# KiCad board 32X_VA2.kicad_pcb (continued)
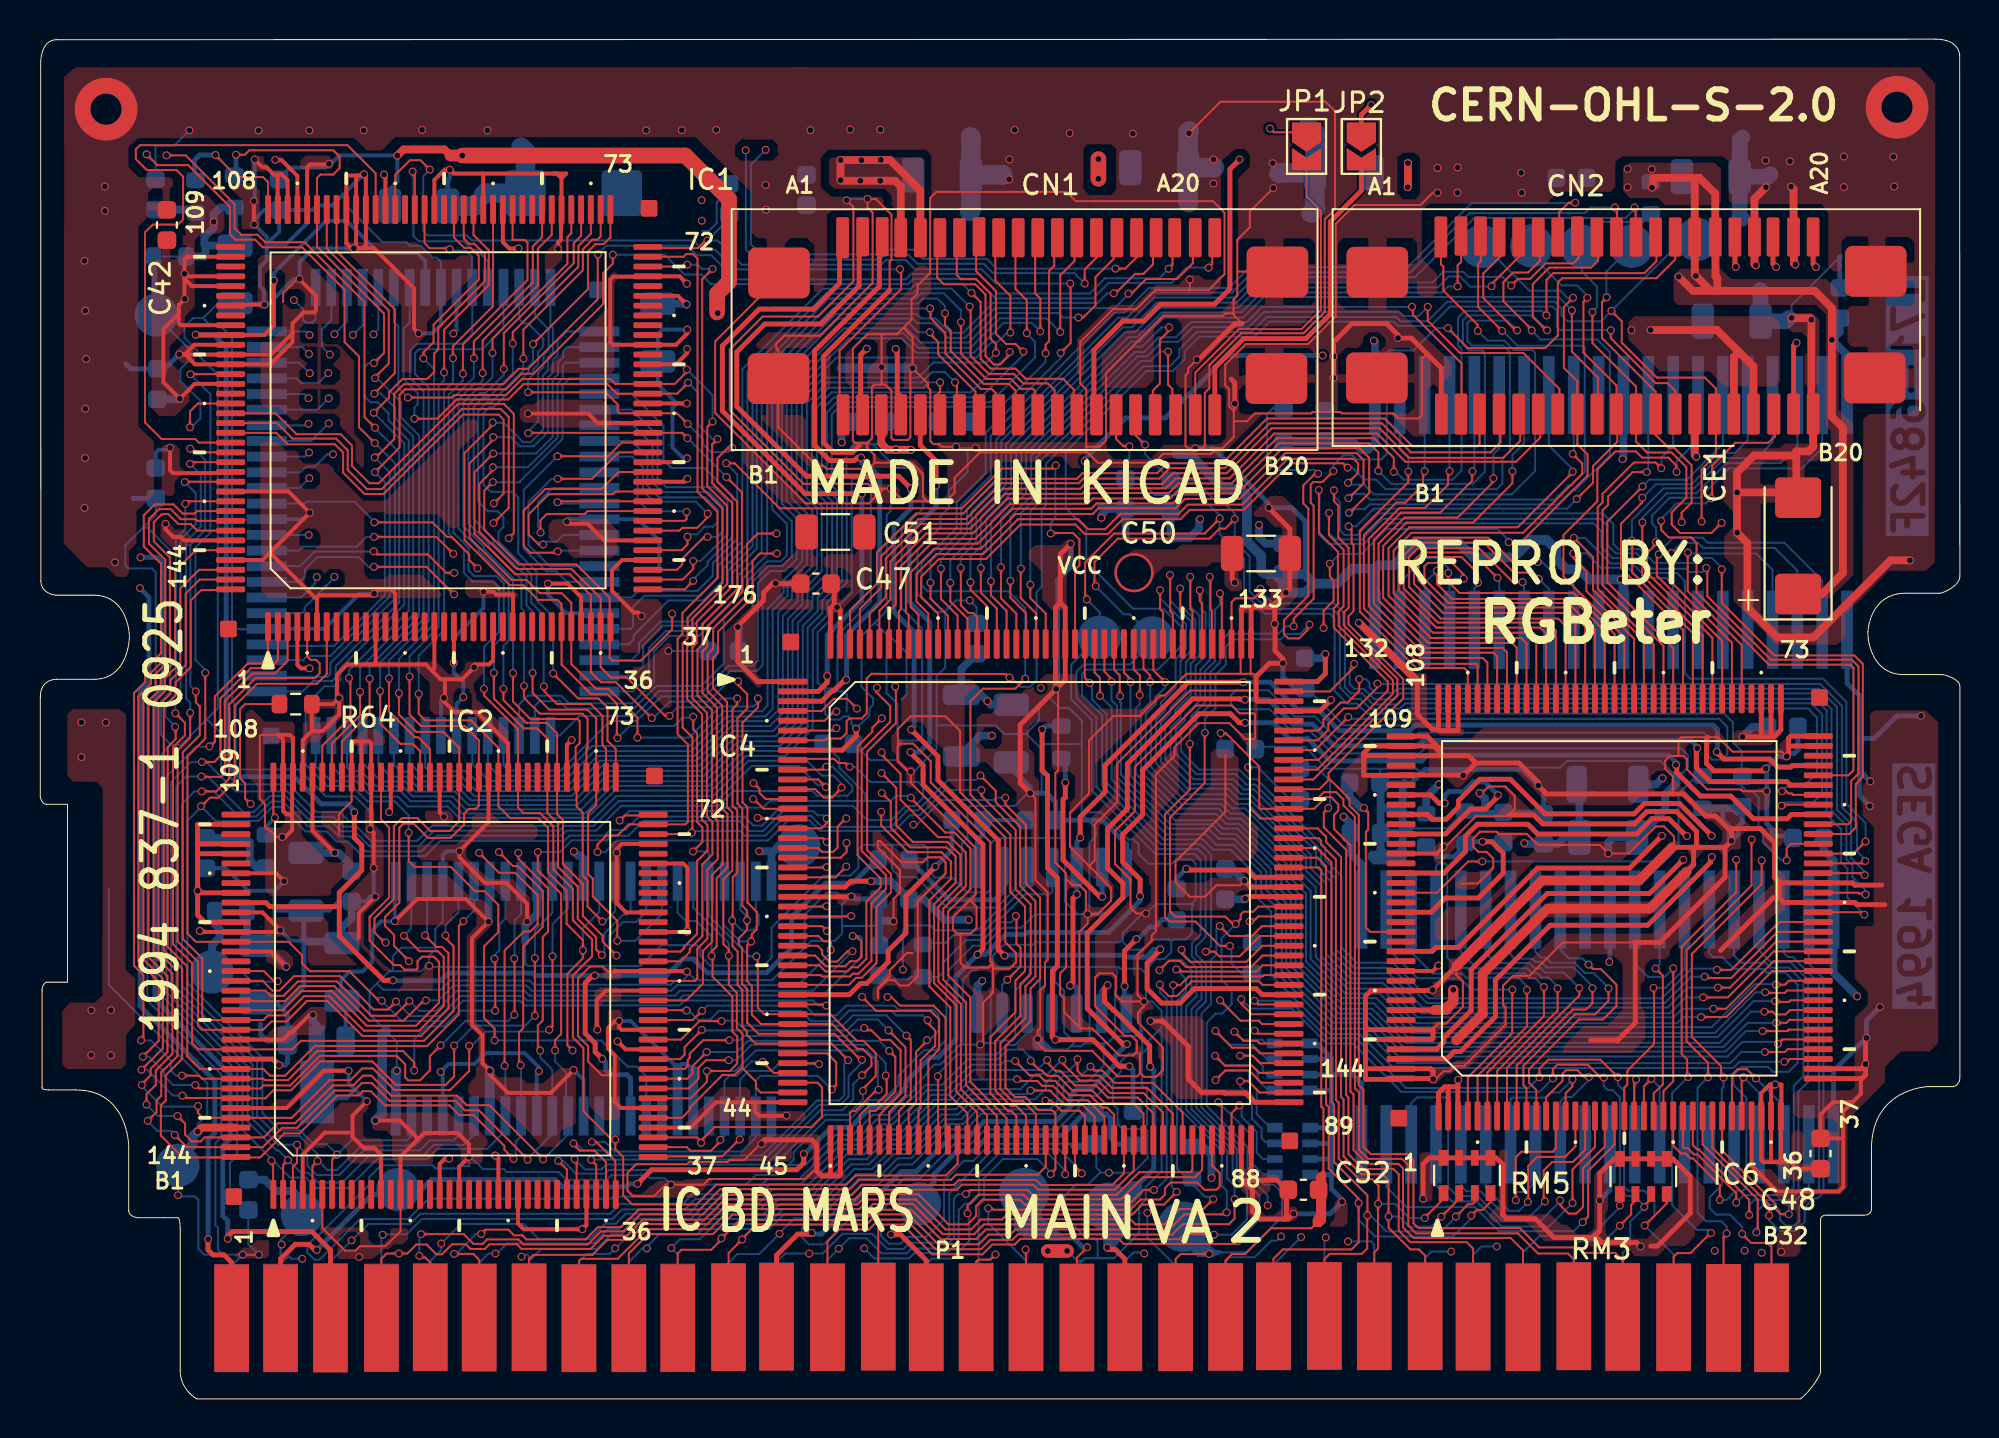
[diagram p0: board, top side]
## Routing (per net, layer and track width the routed paths; a pad name or vN(x,y) marks a point on that pad's centre or on a via; arc(x,y) is an arc through that point) (continued)
  Bottom w0.1: v1(47.1,42.47) 47.1,43.01 47.9,43.81 47.9,45.23 49.42,46.75 49.42,48.81 55.38,54.77 55.86,54.77 57.12,56.03 61.19,56.03 62.22,57.06 71.22,57.06 71.77,57.61 72.78,57.61 73.04,57.35 74.79,57.35 v1(75.24,56.9)
CTD3: length 51.3
  Top w0.1: v1(46.57,41.71) 46.57,40.76 47.45,39.89 IC4.162 ; 81.58,58.8 81.6,58.82 81.6,60.84 v1(81.54,60.9)
  Bottom w0.1: v1(81.54,60.9) 81.54,60.82 81.08,60.36 73.35,60.36 70.33,57.34 62.14,57.34 61.09,56.29 57,56.29 55.73,55.02 55.23,55.02 49.18,48.97 49.18,46.89 47.65,45.36 47.65,43.95 46.57,42.87 v1(46.57,41.71)
CTD4: length 50.5
  Top w0.1: IC4.163 46.95,40.03 46.09,40.89 v1(46.09,42.44) ; v1(80.54,60.9) 80.65,60.79 80.65,59.01 80.66,59
  Bottom w0.1: v1(80.54,60.9) 80.53,60.89 79.27,60.89 78.99,60.61 73.11,60.61 70.08,57.58 62,57.58 60.96,56.54 56.88,56.54 55.6,55.26 55.14,55.26 48.92,49.04 48.92,46.99 47.42,45.49 47.42,44.25 46.09,42.92 v1(46.09,42.44)
CTD5: length 50
  Top w0.1: IC4.164 46.45,40.03 45.56,40.91 v1(45.56,41.72) ; v1(78.51,61.14) 78.18,61.14 77.69,60.65 77.69,58.73
  Bottom w0.1: v1(45.56,41.72) 45.56,42.8 47.13,44.37 47.13,45.68 48.64,47.19 48.64,49.22 54.94,55.52 55.46,55.52 56.72,56.78 60.81,56.78 61.88,57.85 69.95,57.85 73.22,61.12 78.49,61.12 v1(78.51,61.14)
CTD6: length 56.3
  Top w0.1: v1(75.54,54.61) 75.47,54.61 73.81,56.27 73.81,57.52 74.72,58.43 74.72,59.79 ; IC4.165 45.95,40.14 45.08,41 45.08,42.02 45.99,42.93 48.39,42.93 50.15,44.69 52.96,44.69 53.44,44.21 54.63,44.21 55.38,44.96 58.33,44.96 58.81,45.44 61.57,45.44 63.95,47.82 66.66,47.82 v1(66.88,47.6)
  Bottom w0.1: v1(75.54,54.61) 75.04,55.11 73.11,55.11 73,55 73,54.06 73.22,53.84 74.83,53.84 75.17,53.5 75.17,48.43 74.79,48.05 74.79,46.79 74.5,46.5 68.82,46.5 68.33,46.99 67.72,46.99 67.11,47.6 v1(66.88,47.6)
CTD7: length 56.1
  Top w0.1: v1(73.53,54.59) 73.53,54.89 71.77,56.65 71.77,57.87 71.65,57.99 71.65,59.66 ; v1(66.9,46.82) 67.41,47.33 67.41,47.82 67.18,48.05 63.82,48.05 61.48,45.71 58.71,45.71 58.24,45.24 55.27,45.24 54.48,44.45 53.62,44.45 53.11,44.96 50.03,44.96 48.25,43.18 45.86,43.18 44.84,42.16 44.84,40.75 45.45,40.14 IC4.166
  Bottom w0.1: v1(66.9,46.82) 66.99,46.73 67.72,46.73 68.22,46.23 75.26,46.23 76.46,47.43 76.46,53.47 76.32,53.61 75.37,53.61 74.89,54.09 74.03,54.09 v1(73.53,54.59)
CTD8: length 61.6
  Top w0.1: v1(74.77,54.59) 73.55,55.81 73.55,58.01 73.69,58.15 73.69,59.89 ; IC4.167 44.95,40.08 44.55,40.47 44.55,42.26 45.74,43.45 48.13,43.45 49.91,45.23 53.85,45.23 54.14,45.52 58.08,45.52 58.56,46 61.36,46 63.7,48.34 67.34,48.34 67.69,47.99 67.69,46.79 66.94,46.04 v1(66.92,46.04)
  Bottom w0.1: v1(66.92,46.04) 67.14,46.26 67.73,46.26 68.02,45.97 77.46,45.97 78.17,46.68 78.29,46.68 79,47.39 79,53.74 78.91,53.83 75.56,53.83 74.8,54.59 v1(74.77,54.59)
CTD9: length 65.1
  Top w0.1: v1(66.94,45.29) 66.97,45.29 67.98,46.3 67.98,48.1 67.49,48.59 63.54,48.59 61.23,46.28 58.45,46.28 57.94,45.77 54.04,45.77 53.77,45.5 49.76,45.5 47.97,43.71 45.58,43.71 44.3,42.43 44.3,40.21 44.45,40.06 IC4.168 ; v1(76.29,54.61) 76.29,54.65 74.84,56.1 74.84,57.08 75.33,57.57 76.1,57.57 76.72,58.19 76.72,59.97
  Bottom w0.1: v1(66.94,45.29) 67.06,45.29 67.25,45.48 67.76,45.48 68,45.72 77.62,45.72 78.33,46.43 78.49,46.43 80.28,48.22 80.28,53.5 79.63,54.15 76.75,54.15 v1(76.29,54.61)
CTD10: length 59.4
  Top w0.1: 79.68,59.61 79.68,58.18 79.32,57.82 77.18,57.82 76.34,56.98 76.34,55.3 77.02,54.62 v1(77.07,54.62) ; IC4.169 43.95,40.27 44.04,40.36 44.04,42.55 45.45,43.96 47.85,43.96 49.64,45.75 53.58,45.75 53.85,46.02 57.8,46.02 58.31,46.53 61.07,46.53 63.38,48.84 67.98,48.84 68.45,48.37 v1(68.45,47.43)
  Bottom w0.1: v1(68.45,47.43) 69.11,46.77 73.27,46.77 73.89,47.39 73.89,53.46 73.76,53.59 73.09,53.59 72.77,53.91 72.77,55.13 73.02,55.38 76.32,55.38 77.07,54.63 v1(77.07,54.62)
CTD11: length 59.1
  Top w0.1: v1(69.24,47.38) 69.24,48.1 68.24,49.1 63.26,49.1 60.95,46.79 58.23,46.79 57.74,46.3 53.77,46.3 53.49,46.02 49.51,46.02 47.73,44.24 45.35,44.24 43.78,42.67 43.78,40.6 43.45,40.27 IC4.170 ; v1(77.04,55.38) 77.04,57.19 77.39,57.54 82.05,57.54 82.66,58.15 82.66,59.51
  Bottom w0.1: v1(69.24,47.38) 69.35,47.38 69.75,46.98 72.23,46.98 72.7,47.45 72.7,53.65 72.52,53.83 72.52,55.26 72.87,55.61 76.8,55.61 77.03,55.38 v1(77.04,55.38)
CTD12: length 43
  Top w0.1: 76.72,50.65 76.72,49.13 75.49,47.9 69.83,47.9 68.39,49.34 63.13,49.34 60.84,47.05 58.1,47.05 57.59,46.54 53.6,46.54 53.32,46.26 49.38,46.26 47.6,44.48 45.19,44.48 43.51,42.8 43.51,40.85 42.95,40.28 IC4.171
CTD13: length 42.6
  Top w0.1: IC4.172 42.45,40.14 43.27,40.97 43.27,42.95 45.05,44.73 47.48,44.73 49.27,46.52 53.21,46.52 53.45,46.76 57.39,46.76 57.94,47.31 60.7,47.31 63,49.61 68.51,49.61 70.02,48.1 74.83,48.1 75.7,48.97 75.7,50.68
CTD14: length 41.7
  Top w0.1: 74.69,50.39 74.69,48.88 74.19,48.38 70.11,48.38 68.63,49.86 62.88,49.86 60.59,47.57 57.78,47.57 57.25,47.04 53.37,47.04 53.13,46.8 49.19,46.8 47.36,44.97 44.94,44.97 43.04,43.07 43.04,41.47 41.95,40.38 IC4.173
CTD15: length 41.4
  Top w0.1: IC4.174 41.45,40.3 42.82,41.67 42.82,43.26 44.81,45.25 47.23,45.25 49.01,47.03 53.04,47.03 53.33,47.32 57.15,47.32 57.65,47.82 60.47,47.82 62.76,50.11 68.77,50.11 70.19,48.69 73.51,48.69 73.62,48.8 73.62,50.67
EDCLK: length 22
  Top w0.25: P1.b15 45.34,7.08 44.02,8.4 v1(43.54,8.4)
  Bottom w0.25: v1(43.54,8.4) 43.73,8.4 44.83,9.5 44.83,10.19 45.74,11.1 45.74,11.49 46.92,12.67 47.75,12.67 48.54,13.46 52.28,13.46 53.38,14.56 54.55,14.56 54.76,14.35 54.76,13.35 55.1,13.02 R62.1
FTOB: length 40.8
  Top w0.1: IC1.95 18.2,62.56 18.95,63.31 19.49,63.31 v1(19.97,62.83) ; v1(44,57.75) 44.06,57.69 44.06,56.73 40.91,53.58 40.91,50.77
  Bottom w0.1: v1(44,57.75) 43.98,57.73 35.56,57.73 34.58,58.71 33.94,58.71 33.44,59.21 22.12,59.21 21.86,59.47 19.85,59.47 19.63,59.69 19.63,62.49 v1(19.97,62.83)
IOB: length 60.7
  Top w0.25: IC6.131 71.19,22.87 71.39,23.07 72.52,23.07 76.58,27.13 81.29,27.13 v1(82.94,28.78) ; CN2.A20 90.67,58 v1(90.81,57.85)
  In2.Cu w0.25: v1(82.94,28.78) 81.83,29.89 81.83,38.49 79.59,40.73 79.59,49.23 83.58,53.22 83.58,55.79 82.38,56.99 82.38,58.6 83.86,60.08 88.59,60.08 v1(90.81,57.85)
IOG: length 55.8
  Top w0.25: v1(84.22,28.77) 84.18,28.77 83.3,29.65 82.43,29.65 81.65,28.87 76.59,28.87 76.09,29.37 73.51,29.37 72.9,28.76 72.9,27.98 71.79,26.87 IC6.123 ; CN2.A18 88.62,58.01 v1(88.78,57.85)
  In2.Cu w0.25: v1(88.78,57.85) 87.65,58.98 86.22,58.98 85.61,58.37 85.61,57.51 87.8,55.32 87.8,41.86 82.62,36.68 82.62,32.76 84.22,31.16 v1(84.22,28.77)
IOR: length 52.9
  Top w0.25: IC6.117 70.96,29.87 71.21,29.62 71.91,29.62 72.54,30.25 72.54,30.57 73.64,31.67 75.2,31.67 76.97,29.9 81.52,29.9 82.05,30.43 83.84,30.43 85.48,28.79 v1(85.48,28.78) ; CN2.A16 86.67,57.91 v1(86.72,57.86)
  In2.Cu w0.25: v1(86.72,57.86) 88.77,55.81 88.77,41.27 83.8,36.3 83.8,32.96 85.48,31.28 v1(85.48,28.78)
NTSC: length 32
  Top w0.1: 88.71,50.8 88.71,49.19 88.39,48.87 86.69,48.87 85.51,47.69 85.51,46.09 v1(85.45,46.03) ; v1(82.9,44.88) 82.9,44.42 83.29,44.03 84.43,44.03 84.71,43.75 84.71,41.23 88.41,37.53 92.57,37.53 92.73,37.37 92.73,32.13 92.47,31.87 IC6.68
  Bottom w0.1: v1(85.45,46.03) 85.19,45.77 83.7,45.77 82.9,44.97 v1(82.9,44.88)
PCM0: length 34.2
  Top w0.25: v1(40.28,36.95) 40.28,36.62 39.82,36.16 IC4.2 ; v1(42.05,46.27) 39.15,46.27 34.92,50.5 34.92,53.82 36.8,55.7 39.59,55.7 40.91,57.02 40.91,58.37 41.07,58.53 CN1.A1
  Bottom w0.25: v1(42.05,46.27) 42.05,40.82 40.28,39.05 v1(40.28,36.95)
PCM1: length 30.6
  Top w0.25: IC4.3 40,35.66 40.53,36.19 40.62,36.19 41.19,36.76 v1(41.25,36.76) ; v1(42.01,48.11) 41.82,48.11 41.67,47.96 40.41,47.96 39.63,48.74 39.63,53.56 42.94,56.87 42.94,59.25 CN1.A3
  Bottom w0.25: v1(42.01,48.11) 42.01,47.87 42.34,47.54 42.55,47.54 42.96,47.13 42.96,40.72 41.27,39.03 41.27,36.78 v1(41.25,36.76)
SCK: length 44.1
  Top w0.1: v1(17.11,52.94) 17.63,53.46 17.63,55.47 14.2,58.9 IC1.103 14.2,62.4 14.38,62.58 15.03,62.58 15.36,62.91 15.36,63.49 15.03,63.82 10.74,63.82 10.51,63.59 v1(10.06,63.59) ; v1(15.83,36.85) 15.91,36.77 15.91,34.82 14.47,33.38 IC2.103
  Bottom w0.1: 10.06,62.62 10.07,62.61 ; v1(15.83,36.85) 15.83,37.23 18.89,40.29 18.89,48.99 17.86,50.02 17.86,50.37 17.29,50.94 16.93,50.94 16.62,51.25 16.63,51.26 16.63,52.74 16.83,52.94 v1(17.11,52.94)
  Bottom w0.25: v1(10.06,63.59) 10.06,62.62
SHA1: length 82.8
  Top w0.1: v1(36.66,22.62) 36.73,22.55 36.73,19.99 37.06,19.66 IC4.35 40.44,19.66 41.8,18.3 42.13,18.3 42.76,17.67 42.76,16.5 42.11,15.85 v1(42.11,15.74) ; v1(29.56,33.77) 29.53,33.8 29.53,35.53 29.04,36.02 28.21,36.02 26.7,37.53 IC1.31 26.7,40.63 26.49,40.84 25.5,40.84 24.75,41.59 24.05,41.59 21.74,43.9 21.74,48.34 23.18,49.78 v1(23.18,49.91) ; IC2.31 26.97,11.73 v1(26.53,12.17) ; v1(33.42,27.98) 33.9,28.46 33.9,29.21 33.63,29.48 33.63,34.03 33.43,34.23 v1(33.43,34.87)
  Bottom w0.1: v1(36.66,22.62) 36.3,22.62 34.23,24.69 IC3.21 34.23,27.88 34.13,27.98 v1(33.42,27.98) ; v1(26.53,12.17) 26.78,12.17 27.44,11.51 28.93,11.51 29.12,11.7 37.33,11.7 40.15,14.52 41.32,14.52 42.11,15.31 v1(42.11,15.74) ; v1(33.43,34.87) 33.38,34.82 32.88,34.82 32.45,34.39 30.18,34.39 v1(29.56,33.77) ; IC5.40 26.14,54.87 26.26,54.74 26.26,53.49 26,53.23 26,52.56 25.75,52.31 25.75,49.52 25.13,48.9 24.74,48.9 23.75,49.89 23.2,49.89 v1(23.18,49.91)
SHA2: length 86.9
  Top w0.1: IC2.32 27.47,12.15 v1(27.37,12.25) ; v1(42.06,16.54) 42.54,17.02 42.54,17.44 42.09,17.89 41.81,17.89 40.54,19.16 IC4.36 36.9,19.16 36.43,19.63 36.43,21.1 36.19,21.34 36.19,23.18 v1(36.39,23.38) 36.42,23.41 36.42,23.74 36.68,24 36.68,24.89 36.2,25.37 36.2,30.24 35.95,30.49 35.95,34.56 36.74,35.35 v1(36.74,35.8) ; v1(23.21,49.16) 23.21,49.03 22,47.82 22,44.01 24.15,41.86 24.91,41.86 25.59,41.18 26.71,41.18 27.2,40.69 IC1.32 27.2,37.56 28.47,36.29 29.11,36.29 30.58,34.82 v1(30.58,33.8)
  Bottom w0.1: v1(30.58,33.8) 33.22,33.8 34.81,35.39 36.52,35.39 36.74,35.61 v1(36.74,35.8) ; IC5.41 26.98,54.56 26.5,54.08 26.5,53.35 26.25,53.1 26.25,52.44 26,52.19 26,49.41 25.28,48.69 24.56,48.69 24.09,49.16 v1(23.21,49.16) ; v1(36.39,23.38) 35.83,23.38 34.97,24.24 34.97,26.4 IC3.22 ; v1(42.06,16.54) 41.61,16.09 41.61,15.3 41.06,14.75 39.92,14.75 37.15,11.98 28.98,11.98 28.73,11.73 27.89,11.73 v1(27.37,12.25)
SHA3: length 80.6
  Top w0.1: v1(23.21,48.32) 22.25,47.36 22.25,44.22 24.32,42.15 27.12,42.15 28.2,41.07 IC1.34 28.2,37.14 28.71,36.63 29.48,36.63 v1(31.31,34.8) ; v1(42.05,17.33) 41.98,17.33 40.65,18.66 IC4.37 36.76,18.66 36.19,19.23 36.19,20.95 35.93,21.21 35.93,23.04 35.76,23.21 35.76,23.54 36.18,23.96 v1(36.18,24.46) 36.18,24.96 35.94,25.2 35.94,30.18 35.69,30.43 35.69,34.79 36.19,35.29 36.19,36.02 35.72,36.49 v1(35.72,36.68) ; IC2.34 28.47,11.96 v1(28.21,12.22)
  Bottom w0.1: v1(23.21,48.32) 25.4,48.32 26.25,49.17 26.25,52.1 26.52,52.37 26.52,52.97 26.78,53.23 26.78,53.56 26.98,53.76 IC5.42 ; v1(31.31,34.8) 31.39,34.8 32.23,35.64 34.19,35.64 35.23,36.68 v1(35.72,36.68) ; v1(28.21,12.22) 28.22,12.23 37.05,12.23 39.85,15.03 40.95,15.03 41.37,15.45 41.37,16.5 42.05,17.18 v1(42.05,17.33) ; v1(36.18,24.46) 36.18,24.65 35.83,25 IC3.23
SHA4: length 81.2
  Top w0.1: v1(41.35,17.31) 40.5,18.16 IC4.38 36.61,18.16 36.17,18.6 36.17,18.8 35.94,19.03 35.94,20.91 35.7,21.15 35.7,22.87 35.44,23.13 35.44,24.42 v1(35.42,24.44) 35.45,24.47 35.45,26.66 35.68,26.89 35.68,30.09 35.44,30.33 35.44,35.26 35.68,35.5 v1(35.68,35.8) ; IC2.35 28.97,12.1 28.38,12.69 27.63,12.69 27.31,13.01 v1(27.31,13.06) ; v1(23.19,47.62) 23.19,47.46 22.5,46.77 22.5,44.32 24.4,42.42 27.21,42.42 28.7,40.93 IC1.35 28.7,37.4 29.23,36.87 30.04,36.87 32,34.91 v1(32.22,34.91)
  Bottom w0.1: IC3.24 36.63,24.89 36.78,24.74 36.78,24.26 36.47,23.95 35.91,23.95 v1(35.42,24.44) ; v1(41.35,17.31) 41.15,17.11 41.15,15.51 40.89,15.25 39.76,15.25 36.95,12.44 29.25,12.44 28.99,12.7 27.8,12.7 27.44,13.06 v1(27.31,13.06) ; IC5.43 26.91,52.96 26.76,52.81 26.76,52.17 26.5,51.91 26.5,49.14 24.98,47.62 v1(23.19,47.62) ; v1(32.22,34.91) 32.22,34.94 32.63,35.35 34.41,35.35 34.86,35.8 v1(35.68,35.8)
SHA5: length 93.6
  Top w0.1: v1(40.51,15.81) 40.74,16.04 40.74,17.2 40.28,17.66 IC4.39 ; v1(28.25,13.13) 28.27,13.15 28.46,13.15 29.45,12.16 29.45,10.65 ; v1(32.35,40.13) 32.35,39.33 30.75,37.73 29.3,37.73 29.16,37.87 29.16,40.35 ; 29.16,40.35 29.16,40.95 27.46,42.65 24.52,42.65 22.75,44.42 22.75,46.42 v1(23.19,46.86) ; 29.16,40.35 29.16,39.68
  In1.Cu w0.1: v1(40.51,15.81) 40.51,15.85 40.76,16.1 40.76,17.71 41.42,18.37 43.6,18.37 44.47,17.5 45.87,17.5 46.48,18.11 46.48,35.87 44.13,38.22 42.23,38.22 42.07,38.38 41.26,38.38 41,38.64 38.98,38.64 38.85,38.77 33.68,38.77 32.35,40.1 v1(32.35,40.13)
  Bottom w0.1: v1(23.19,46.86) 23.2,46.85 24.58,46.85 24.58,46.9 26.75,49.07 26.75,51.79 27.12,52.16 IC5.44 ; v1(40.51,15.81) 39.81,16.51 36.87,16.51 36.63,16.27 IC3.27 36.63,13.36 35.91,12.64 29.42,12.64 28.93,13.13 v1(28.25,13.13)
SHA6: length 84.5
  Top w0.1: 31.29,41.38 33,41.38 v1(33.43,41.81) ; 31.58,12.39 34.91,12.39 35.78,13.26 v1(35.81,13.26) ; v1(39.86,17.11) 39.81,17.16 IC4.40
  In1.Cu w0.1: v1(39.86,17.11) 39.86,17.58 39.55,17.89 36.69,17.89 36.11,17.31 36.11,17.04 36.54,16.61 38.05,16.61 39.73,14.93 45.14,14.93 47.3,17.09 47.3,23.62 47.91,24.23 47.91,24.68 47.29,25.3 47.29,36.22 44.48,39.03 42.59,39.03 42.43,39.19 41.61,39.19 41.33,39.47 39.3,39.47 39.19,39.58 36.96,39.58 36.05,40.49 34.75,40.49 v1(33.43,41.81)
  Bottom w0.1: v1(39.86,17.11) 39.85,17.1 37.76,17.1 37.42,16.76 36.26,16.76 35.83,16.33 IC3.28 35.83,13.28 v1(35.81,13.26) ; IC5.45 30.28,51.36 31.91,49.73 31.91,47.99 32.32,47.58 34.01,47.58 35.44,46.15 35.44,44.06 34.16,42.78 34.16,42.61 33.43,41.88 v1(33.43,41.81)
SHA7: length 76.4
  Top w0.1: IC2.38 33.11,12.87 33.29,12.68 34.34,12.68 34.82,13.16 v1(34.82,13.24) ; v1(33.43,42.83) 33.43,42.42 32.89,41.88 IC1.38 ; IC4.41 37.55,16.66 v1(36.98,17.23)
  In1.Cu w0.1: v1(36.98,17.23) 37,17.25 38.09,17.25 40.16,15.18 43.07,15.18 44.79,16.9 46.17,16.9 47.09,17.82 47.09,36.12 44.38,38.83 42.49,38.83 42.34,38.98 41.53,38.98 41.25,39.26 39.22,39.26 39.1,39.38 36.84,39.38 35.95,40.27 33.83,40.27 32.77,41.33 32.77,42.17 v1(33.43,42.83)
  Bottom w0.1: v1(34.82,13.24) 35.03,13.45 IC3.29 35.03,16.26 35.27,16.5 35.65,16.5 36.4,17.25 36.96,17.25 v1(36.98,17.23) ; IC5.46 30.28,50.56 31.61,49.23 31.61,47.05 32.06,46.6 34.5,46.6 35.18,45.92 35.18,44.19 33.82,42.83 v1(33.43,42.83)
SHA8: length 82.1
  Top w0.1: v1(34.17,44.06) 33.99,44.06 32.87,42.94 32.87,42.65 32.6,42.38 IC1.39 ; IC2.39 33.63,13.37 33.83,13.16 v1(33.83,13.08) 33.83,13.2 34.52,13.89 39.47,13.89 40.01,14.43 40.01,15.93 39.78,16.16 IC4.42
  In1.Cu w0.1: v1(33.83,13.08) 33.83,13.2 34.53,13.9 44.78,13.9 47.53,16.65 47.53,23.57 48.11,24.15 48.11,24.76 47.5,25.37 47.5,36.32 44.59,39.23 42.67,39.23 42.51,39.39 41.69,39.39 41.41,39.67 39.38,39.67 39.27,39.78 37.04,39.78 34.17,42.65 v1(34.17,44.06)
  Bottom w0.1: v1(34.17,44.06) 34.67,44.06 34.94,44.33 34.94,45.64 34.23,46.35 31.85,46.35 31.35,46.85 31.35,48.78 30.37,49.76 IC5.47 ; v1(33.83,13.08) 33.83,13.2 34.23,13.6 IC3.30
SHA9: length 61.6
  Top w0.1: 35.95,16.9 35.89,16.9 35.55,16.56 34.93,16.56 33.26,14.89 33.26,14.77 32.86,14.37 IC2.41 ; 35.95,16.9 35.95,18.66 35.66,18.95 35.66,20.75 35.25,21.16 v1(35.25,22.65) 35.25,22.97 34.97,23.25 34.97,26.55 35.43,27.01 35.43,29.97 35.16,30.24 35.16,35.62 34.44,36.34 34.44,37.88 34.7,38.14 34.7,39.22 36.46,40.98 36.46,42.83 36.84,43.21 v1(37.71,43.21) ; 35.95,16.9 36.62,16.23 36.64,16.23 36.64,15.9 36.88,15.66 IC4.43 ; IC1.41 32.84,43.38 33.14,43.68 v1(33.14,44.07)
  In1.Cu w0.1: v1(37.71,43.21) 36.08,44.84 33.91,44.84 v1(33.14,44.07)
  Bottom w0.1: IC3.20 33.43,25.11 35.25,23.29 v1(35.25,22.65) ; v1(33.14,44.07) 33.26,44.19 33.62,44.19 34.01,44.58 34.44,44.58 34.67,44.81 34.67,45.46 34.05,46.08 31.68,46.08 31.09,46.67 31.09,48.15 30.28,48.96 IC5.48
SHA10: length 69.7
  Top w0.1: v1(42.91,15.8) 42.81,15.8 41.72,14.71 41.54,14.71 41.45,14.62 IC4.47 ; v1(34.17,45.25) 34.17,45.06 33.63,44.52 32.87,44.52 32.73,44.38 IC1.43 ; IC2.43 33.3,15.37 34.13,16.2 v1(34.13,16.76) 35.3,16.76 35.68,17.14 35.68,18.52 35.43,18.77 35.43,20.57 34.42,21.58 34.42,22.59 v1(34.37,22.64) 34.37,22.87 34.63,23.13 34.63,26.61 35.18,27.16 35.18,29.9 34.91,30.17 34.91,35.43 34.17,36.17 34.17,38.07 34.45,38.35 34.45,39.38 36.19,41.12 36.19,43.69 36.73,44.23 v1(37.69,44.23)
  In1.Cu w0.1: v1(37.69,44.23) 36.67,45.25 v1(34.17,45.25)
  Bottom w0.1: IC3.19 32.63,24.85 33.05,24.43 33.58,24.43 34.37,23.64 v1(34.37,22.64) ; v1(34.17,45.25) 33.56,45.86 31.41,45.86 30.86,46.41 30.86,47.62 30.32,48.16 IC5.49 ; v1(34.13,16.76) 35.58,16.76 36.63,17.81 42.31,17.81 42.87,17.25 42.87,15.84 v1(42.91,15.8)
SHA11: length 69.7
  Top w0.1: v1(43.27,16.53) 43.32,16.48 43.32,15.59 42.75,15.02 42.46,15.02 41.95,14.5 IC4.48 ; IC1.44 33,44.88 33.09,44.97 v1(33.09,45.34) ; IC2.44 33.2,15.87 33.7,16.36 33.7,16.93 34.08,17.31 v1(35.25,17.31)
  In1.Cu w0.1: v1(33.09,45.34) 32.57,44.82 32.57,41.21 33.79,39.99 35.94,39.99 36.75,39.18 39.01,39.18 39.14,39.05 41.17,39.05 41.44,38.78 42.25,38.78 42.4,38.63 44.29,38.63 46.88,36.04 46.88,17.91 46.07,17.1 43.84,17.1 v1(43.27,16.53)
  Bottom w0.1: IC5.50 30.34,47.36 30.58,47.12 30.58,45.96 31.17,45.37 33.06,45.37 v1(33.09,45.34) ; v1(35.25,17.31) 35.62,17.31 36.41,18.1 42.33,18.1 43.27,17.16 v1(43.27,16.53)
SHA12: length 77
  Top w0.1: v1(34.12,17.73) 33.39,17 33.39,16.62 33.14,16.37 IC2.45 ; v1(25.63,44.28) 25.62,44.29 25.62,44.9 25.95,45.23 27.88,45.23 28.03,45.38 IC1.45 ; v1(43.45,17.79) 43.76,17.48 43.76,15.72 42.76,14.72 42.48,14.72 42.45,14.69 IC4.49
  In1.Cu w0.1: v1(25.63,44.28) 25.99,44.28 26.12,44.15 26.77,44.15 27.7,43.22 27.7,41.83 28.66,40.87 32.54,40.87 34.43,38.98 38.93,38.98 39.06,38.85 41.09,38.85 41.36,38.58 42.17,38.58 42.32,38.43 44.21,38.43 46.68,35.96 46.68,18.02 45.96,17.3 43.94,17.3 v1(43.45,17.79)
  Bottom w0.1: IC5.51 26.23,46.56 25.5,45.83 25.5,44.58 25.63,44.45 v1(25.63,44.28) ; v1(43.45,17.79) 42.94,18.3 36.23,18.3 35.66,17.73 v1(34.12,17.73)
SHA13: length 74.2
  Top w0.1: IC1.46 26.54,45.88 v1(26.49,45.83) ; v1(35.28,18.33) 33.94,18.33 33.25,17.64 33.25,17.42 33.15,17.32 33.15,17.02 32.99,16.87 IC2.46 ; IC4.50 42.95,14.52 44.03,15.6 44.03,17.82 43.5,18.35 43.03,18.35 42.54,18.84 42.29,18.84 v1(42.17,18.96)
  In1.Cu w0.1: v1(26.49,45.83) 25.15,45.83 24.55,45.23 24.55,40.04 25.48,39.11 30.41,39.11 31.75,37.77 38.42,37.77 38.56,37.63 40.59,37.63 40.86,37.36 41.66,37.36 41.81,37.21 43.67,37.21 45.12,35.76 45.12,28.88 44.79,28.55 44.79,22.08 44.56,21.85 44.56,20.82 43.27,19.53 42.74,19.53 v1(42.17,18.96)
  Bottom w0.1: v1(35.28,18.33) 35.8,18.33 36.02,18.55 41.29,18.55 41.58,18.84 42.05,18.84 v1(42.17,18.96) ; IC5.52 26.56,45.76 v1(26.49,45.83)
SHA14: length 77.1
  Top w0.1: IC1.47 29.48,46.38 29.34,46.24 26.05,46.24 25.02,45.21 25.02,44.18 25.53,43.67 v1(25.76,43.67) ; v1(43.41,18.84) 44.28,17.97 44.28,15.5 43.45,14.67 IC4.51 ; v1(33.87,18.86) 32.99,17.98 32.99,17.59 32.77,17.37 IC2.47
  In1.Cu w0.1: v1(43.41,18.84) 44.55,17.7 45.78,17.7 46.27,18.19 46.27,35.8 44.05,38.02 42.15,38.02 41.99,38.18 41.18,38.18 40.92,38.44 38.9,38.44 38.77,38.57 33.25,38.57 31.16,40.66 28.53,40.66 27.33,41.86 27.33,43.16 26.67,43.82 25.91,43.82 v1(25.76,43.67)
  Bottom w0.1: v1(25.76,43.67) 25.91,43.82 26.45,43.82 26.79,44.16 IC5.54 ; v1(43.41,18.84) 42.86,19.39 41.84,19.39 41.28,18.83 33.9,18.83 v1(33.87,18.86)
SHA15: length 76
  Top w0.1: v1(44.33,18.57) 44.55,18.35 44.55,15.33 43.95,14.73 IC4.52 ; IC1.49 29.62,47.38 28.75,46.51 25.88,46.51 24.76,45.39 24.76,43.6 25.11,43.25 26.44,43.25 v1(26.51,43.32) ; v1(34.88,19.31) 33.75,19.31 32.8,18.37 IC2.49
  In1.Cu w0.1: v1(44.33,18.57) 45,17.9 45.7,17.9 45.95,18.15 45.95,19.45 45.16,20.24 45.16,21.57 45.39,21.8 45.39,28.29 45.72,28.62 45.72,36.06 43.97,37.81 42.08,37.81 41.92,37.97 41.11,37.97 40.84,38.24 38.82,38.24 38.69,38.37 33.17,38.37 31.08,40.46 28.42,40.46 27.13,41.75 27.13,42.7 v1(26.51,43.32)
  Bottom w0.1: v1(26.51,43.32) 26.55,43.36 IC5.55 ; v1(34.88,19.31) 34.9,19.33 35.58,19.33 35.83,19.08 41.07,19.08 41.59,19.6 43.3,19.6 v1(44.33,18.57)
SHA16: length 85.4
  Top w0.1: IC2.51 33.41,19.37 v1(33.88,19.84) ; v1(26.5,47.03) 28.27,47.03 29.62,48.38 IC1.51 ; IC4.53 44.45,14.75 44.82,15.12 44.82,17.74 45.38,18.3 v1(45.38,18.34)
  In1.Cu w0.1: v1(45.38,18.34) 44.76,18.96 44.76,21.74 44.99,21.97 44.99,28.46 45.32,28.79 45.32,35.85 43.76,37.41 41.91,37.41 41.76,37.56 40.95,37.56 40.67,37.84 38.65,37.84 38.52,37.97 33,37.97 31.66,39.31 25.56,39.31 24.75,40.12 24.75,45.1 25.08,45.43 26.67,45.43 27.03,45.79 27.03,46.5 v1(26.5,47.03)
  Bottom w0.1: IC5.56 26.1,42.56 25.01,43.65 25.01,45.85 26.19,47.03 v1(26.5,47.03) ; v1(33.88,19.84) 34.14,20.1 39.15,20.1 39.65,19.6 40.74,19.6 41.24,20.1 43.71,20.1 43.92,19.89 45.7,19.89 45.97,19.62 45.97,18.8 45.51,18.34 v1(45.38,18.34)
SHA17: length 86.1
  Top w0.1: v1(26.49,48.18) 29.08,48.18 29.78,48.88 IC1.52 ; IC2.52 33.08,19.87 v1(33.1,19.85) ; IC4.54 44.95,14.75 45.05,14.85 45.05,17.3 45.8,18.05 45.8,18.82 45.41,19.21 v1(45.41,19.36)
  In1.Cu w0.1: v1(26.49,48.18) 27.23,47.44 27.23,45.71 26.75,45.23 25.16,45.23 24.95,45.02 24.95,40.2 25.63,39.52 31.73,39.52 33.08,38.17 38.6,38.17 38.73,38.04 40.75,38.04 41.02,37.77 41.83,37.77 41.99,37.61 43.85,37.61 45.52,35.94 45.52,28.71 45.19,28.38 45.19,21.89 44.96,21.66 44.96,19.81 v1(45.41,19.36)
  Bottom w0.1: v1(26.49,48.18) 24.77,46.46 24.77,43.46 25.93,42.3 26.43,42.3 26.97,41.76 IC5.57 ; v1(33.1,19.85) 33.2,19.85 33.67,19.38 34.29,19.38 34.74,19.83 38.93,19.83 39.46,19.3 40.85,19.3 41.4,19.85 43.56,19.85 43.81,19.6 45.17,19.6 v1(45.41,19.36)
SHA18: length 50
  Top w0.1: v1(35.13,47.12) 35.92,46.33 35.92,41.26 34.14,39.48 34.14,38.44 33.9,38.2 33.9,36.08 34.64,35.34 34.64,30.03 34.93,29.74 34.93,27.32 34.4,26.79 34.4,23.37 33.93,22.9 33.93,21.23 33.07,20.37 IC2.53 ; v1(25,49.36) 25.02,49.38 IC1.53 32.86,49.38 v1(33.14,49.1)
  Bottom w0.1: v1(33.14,49.1) 33.15,49.1 v1(35.13,47.12) ; v1(25,49.36) 25,49.46 25.5,49.96 25.5,52.45 25.78,52.73 25.78,53.35 26.04,53.61 26.04,54.68 25.33,55.38 IC5.39
SHA19: length 50.5
  Top w0.1: v1(33.15,49.83) 32.6,50.38 IC1.55 29.67,50.38 29.57,50.48 29.57,50.83 28.95,51.45 v1(24.99,51.45) ; v1(35.43,48.61) 35.2,48.61 34.67,48.08 34.67,46.87 35.68,45.86 35.68,41.39 33.91,39.62 33.91,38.57 33.65,38.31 33.65,35.94 34.39,35.2 34.39,29.85 34.68,29.56 34.68,27.58 34.15,27.05 34.15,23.52 33.64,23.01 33.64,21.49 33.52,21.37 IC2.55
  Bottom w0.1: v1(24.99,51.45) 24.99,52.1 25.26,52.37 25.26,52.62 25.5,52.86 25.5,53.51 25.76,53.77 25.76,54.2 24.99,54.97 24.76,54.97 24.54,55.2 IC5.38 ; v1(33.15,49.83) 33.94,49.04 33.94,48.78 34.33,48.39 35.2,48.39 v1(35.43,48.61)
SHA20: length 56.6
  Top w0.1: v1(33.17,51.94) 32.61,51.38 32.23,51.38 32.23,51.38 IC1.57 29.53,51.38 29.04,51.87 24.76,51.87 23.97,51.08 21.33,51.08 20.35,50.1 v1(19.18,50.1) ; v1(34.67,49.06) 34.4,48.79 34.4,46.81 35.42,45.79 35.42,41.53 33.61,39.72 33.61,38.64 33.39,38.42 33.39,35.81 34.13,35.07 34.13,29.76 34.41,29.48 34.41,27.83 33.9,27.32 33.9,23.65 33.25,23 33.25,22.84 32.77,22.37 IC2.57
  Bottom w0.1: IC5.31 18.94,55 18.63,54.7 18.63,52.13 19.35,51.41 19.35,50.84 19.18,50.67 v1(19.18,50.1) ; v1(33.17,51.94) 33.68,51.43 33.68,49.8 34.42,49.06 v1(34.67,49.06)
SHA21: length 55.1
  Top w0.1: v1(18.85,51.18) 21.08,51.18 21.21,51.31 23.87,51.31 24.69,52.13 29.19,52.13 29.44,51.88 IC1.58 32.49,51.88 33.11,52.5 v1(33.11,52.61) ; IC2.58 32.8,22.87 32.95,23.02 32.95,23.09 33.63,23.77 33.63,27.49 34.16,28.02 34.16,29.33 33.88,29.61 33.88,35 33.12,35.76 33.12,38.43 33.39,38.7 33.39,39.87 35.16,41.64 35.16,45.65 34.15,46.66 34.15,49.68 v1(34.42,49.95)
  Bottom w0.1: v1(34.42,49.95) 34.42,51.3 v1(33.11,52.61) ; v1(18.85,51.18) 18.36,51.67 18.36,54.82 18.14,55.05 IC5.30
SHCLK: length 102.6
  Top w0.2: IC1.118 11.51,54.38 12,54.87 v1(12,57.16)
  Top w0.25: 15.34,25.18 15.32,25.16 11.8,25.16 11.59,25.37 IC2.118 ; 15.34,25.18 15.34,25.87 16.49,27.02 16.49,28.3 16.11,28.68 v1(16.11,29.98) ; 15.34,25.18 15.34,23.66 17.19,21.81 17.2,21.81 17.62,21.39 v1(18.09,21.39) ; v1(28.4,21.64) 28.29,21.64 27.91,21.26 27.91,18.68 28.42,18.17 28.42,17.74 v1(28.78,17.38) ; v1(8,54.39) 8.01,54.38 IC1.118
  Bottom w0.2: v1(12,57.16) 12,57.55 14.66,60.21 15.72,60.21 17.36,58.57 19.32,58.57 19.73,58.16 IC5.32
  Bottom w0.25: v1(16.11,29.98) 16.11,30.07 15.77,30.41 14.42,30.41 13.03,31.8 10.23,31.8 9.68,32.35 9.68,35.26 9.56,35.38 9.56,53.75 8.92,54.39 v1(8,54.39) ; FB6.2 42.8,27.57 41.59,26.36 40.19,26.36 38.46,24.63 38.46,23.06 37.18,21.78 34.14,21.78 33.43,22.49 32.91,22.49 32.06,21.64 v1(28.4,21.64) 25.35,21.64 25.23,21.76 20.91,21.76 20.52,21.37 18.11,21.37 v1(18.09,21.39) ; IC3.35 30.23,16.38 30.04,16.57 29.21,16.57 28.96,16.82 28.96,17.2 v1(28.78,17.38)
SHD0: length 81.6
  Top w0.1: v1(18.64,23.67) 18.66,23.67 19.45,22.88 20.38,22.88 20.68,22.58 20.68,20.08 19.42,18.82 16.6,18.82 14.84,20.58 13.54,20.58 12.56,19.6 11.7,19.6 11.47,19.37 IC2.130 8.5,19.37 8.34,19.52 8.34,22.51 7.34,23.51 7.34,33.05 8.21,33.92 8.21,35.4 8.01,35.6 v1(8.01,36.16) ; IC4.26 40.02,24.16 v1(40.27,23.91) ; v1(7.72,48.57) 7.91,48.38 IC1.130
  In1.Cu w0.1: v1(18.64,23.67) 19.36,22.95 21.29,22.95 21.71,23.37 25.11,23.37 25.95,24.21 25.95,25.23 26.63,25.91 38.61,25.91 40.27,24.25 v1(40.27,23.91)
  Bottom w0.1: v1(18.64,23.67) 19,24.03 19,24.52 19.03,24.55 IC3.2 ; v1(7.72,48.57) 7.82,48.47 8.01,48.47 8.48,48 8.48,44.4 7.73,43.65 7.73,36.44 v1(8.01,36.16)
